# Altium PCB Bran_Main_Assay_PCB_v2.PcbDoc (part 3 of 15)
Units mil, origin at the board's own origin, x right, y up, seen from the top; angles counter-clockwise.
Board outline 3608.46 x 1899.79 mil, 6 copper layers (TOP, GND1, Singal, POWER, GND2, BOTTOM), stack 31.508 mil thick; 363 components, 288 nets, 1386 pads, 975 vias.
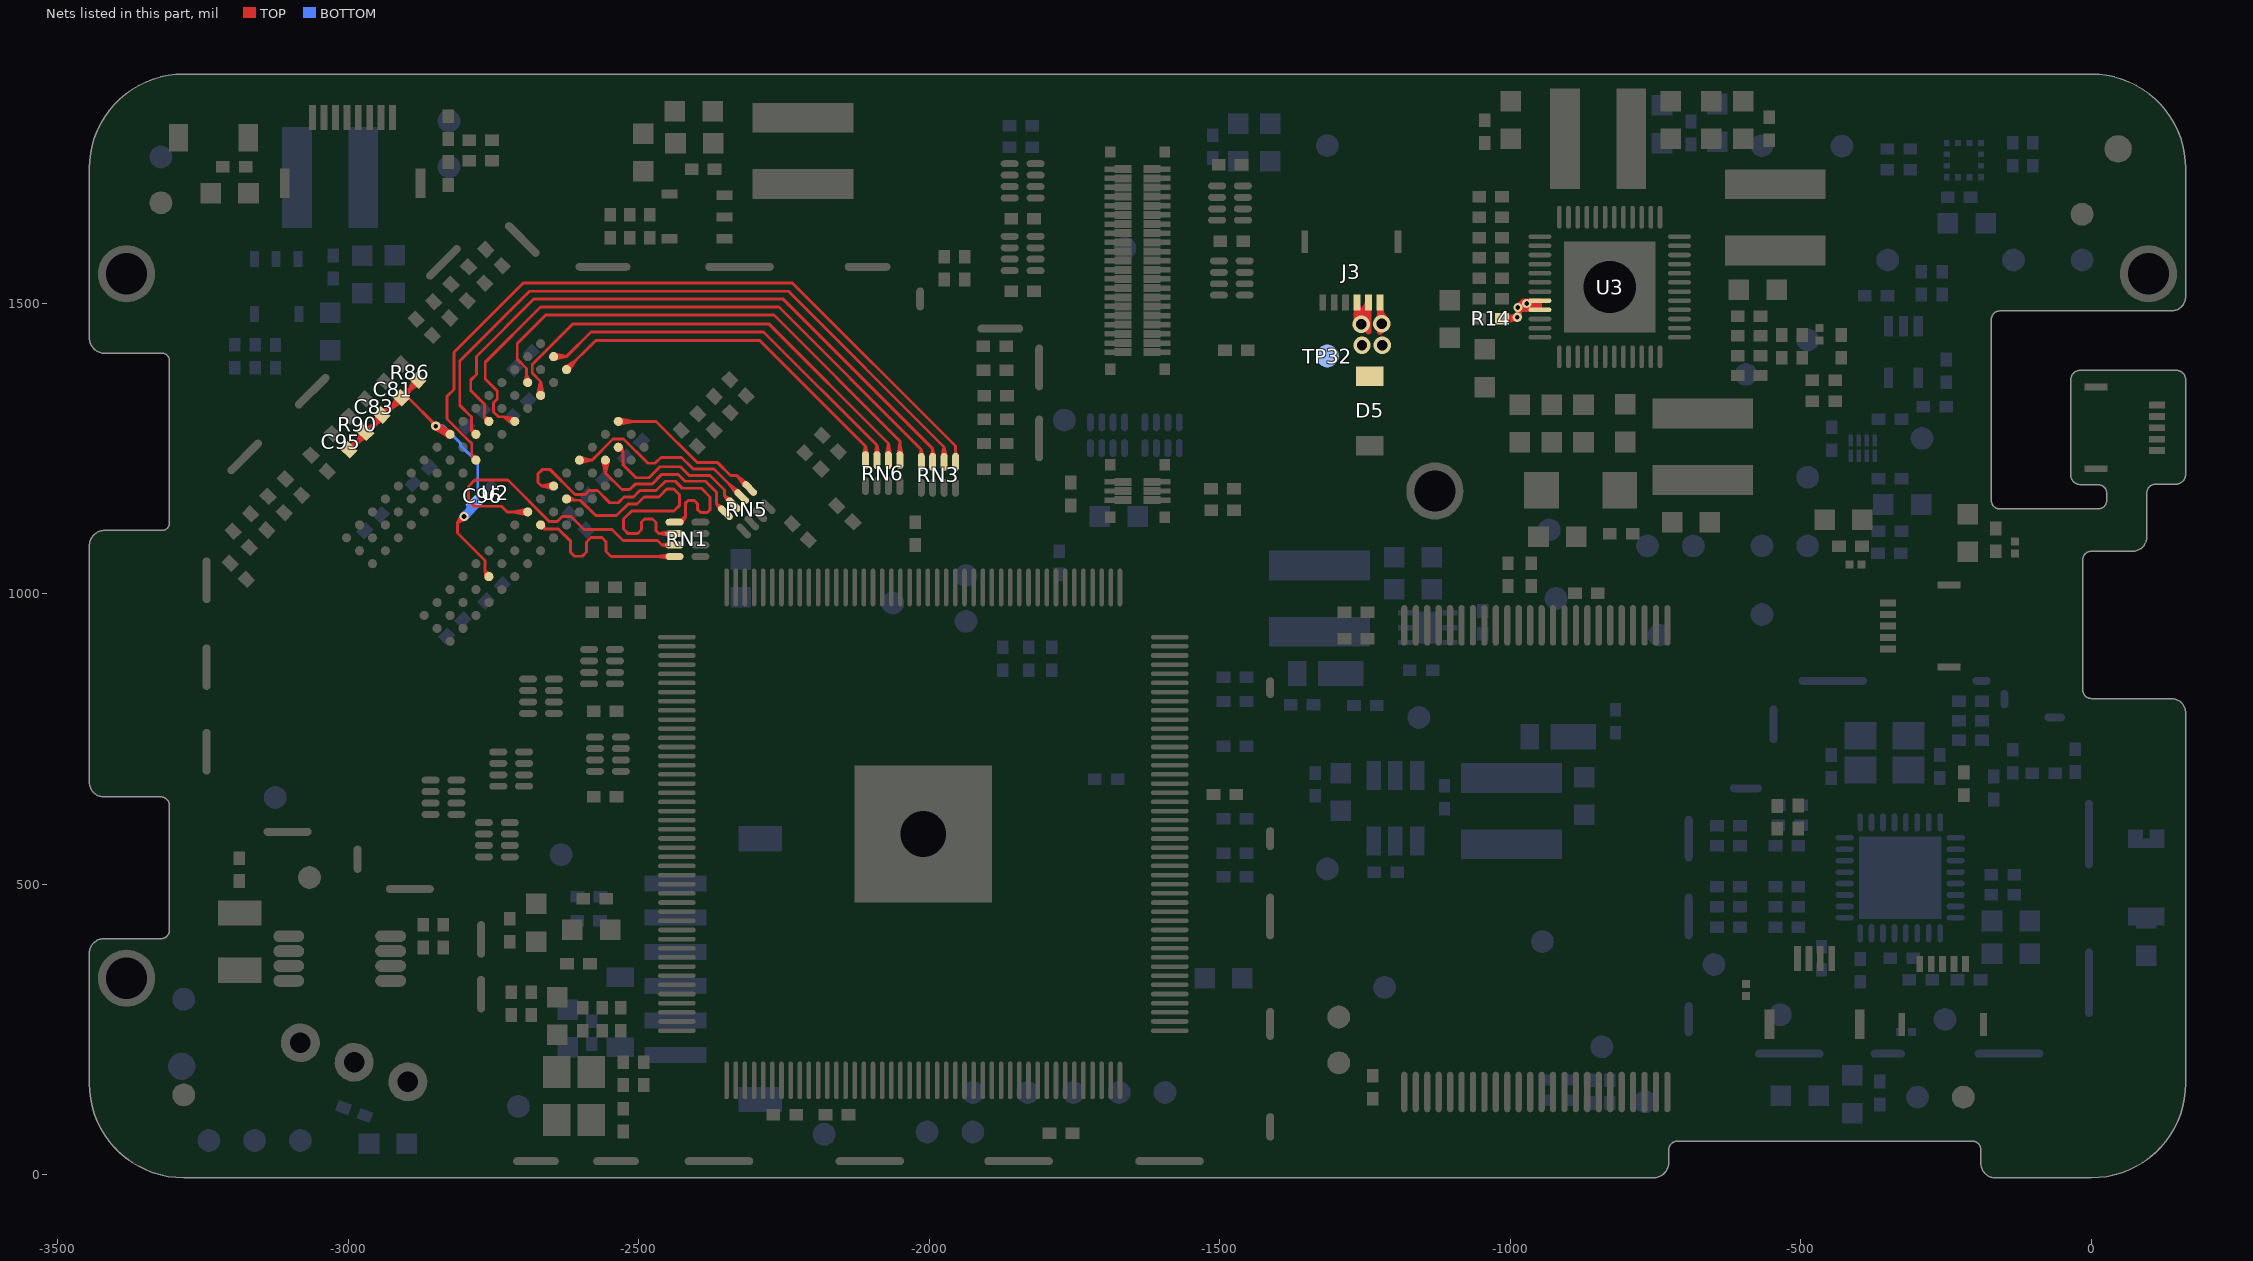
[diagram p7: the nets of this part, all layers, seen from the top]

## Via types
v1: diameter 16, hole 8, TOP to BOTTOM, tented both sides, 431 vias
v2: diameter 18, hole 10, TOP to BOTTOM, tented both sides, 257 vias
v3: diameter 22, hole 12, TOP to BOTTOM, tented both sides, 194 vias
v4: diameter 30, hole 18, TOP to BOTTOM, tented both sides, 69 vias
v5: diameter 24, hole 13, TOP to BOTTOM, tented both sides, 11 vias
v6: diameter 19.68, hole 7.87, TOP to BOTTOM, 9 vias
v7: diameter 22, hole 2, TOP to BOTTOM, tented both sides, 2 vias
v8: diameter 17.99, hole 10, TOP to BOTTOM, tented both sides, 1 vias
v9: diameter 20, hole 10, TOP to BOTTOM, tented both sides, 1 vias

## Nets (pads, with @x,y where several pads share a name; then routed paths per layer and width w, separated by ;. In a path a pad name is that pad's centre, name@x,y a point inside that pad or via, vN(x,y) a via of type N, cw(c..) or ccw(c..) an arc to the next point about the centre after c; other vN are vias at no path point) (continued)
DCIN-5V: D5.1 J3.1 J3.2 J3.3 R14.2 TP32.1 U3.32 U3.33 | length 2252.8
  TOP w8: R14.2@-1010.99,1467.63 -1001.91,1472.83 ; R14.2@-1010.99,1478.99 -1001.91,1473.79 ; R14.2@-1010.48,1467.78 -1001.91,1473.79 ; R14.2@-1010.48,1478.84 -1001.91,1472.83 ; R14.2@-1008.23,1469.18 cw(c-998.26,1459.2) -998.26,1473.31 cw(c-998.26,1487.41) R14.2@-1008.23,1477.44 ; R14.2@-1004.19,1473.31 ccw(c-1004.19,1492.13) v1@-990.88,1478.82 ; -999.32,1473.95 v1(-988.05,1475.99) ; v1@-990.59,1479.08 ccw(c-1002.02,1492.99) v1@-984.02,1492.99 ; v1@-989.24,1489.71 cw(c-996.23,1479.7) v1@-984.02,1479.7 ; v1@-985.65,1485.81 v1(-988.05,1475.99) ; v1@-985.17,1486.66 v1(-988.05,1475.99) ; v1@-983.61,1495.2 ccw(c-971.95,1502.93) -971.95,1488.94 ; v1@-982.94,1492.99 cw(c-967.53,1492.99) v1@-978.43,1503.89 ; v1@-982.42,1496.98 v1(-971.94,1499.99) ; -978.18,1490.4 v1(-986.94,1492.99) ; v1@-975.62,1498.41 ccw(c-961.24,1504.59) U3.33@-961.24,1488.94 ; v1@-968.27,1501.57 ccw(c-949.1,1509.8) U3.33@-949.09,1488.94 ; U3.32@-964.84,1504.69 v1@-977.64,1504.69 ; -961.58,1493.09 v1(-971.94,1499.99) ; U3.33@-959.53,1491.73 U3.32@-949.09,1504.69 ; U3.32@-957.6,1503.81 v1(-971.94,1499.99) ; U3.33@-953.98,1488.94 v1(-986.94,1492.99) ; U3.32@-950.96,1504.69 ccw(c-950.96,1479.01) v1@-969.12,1497.16 ; R14.2@-1012.36,1473.31 v1(-988.05,1475.99) ; R14.2@-1012.36,1473.31 v1(-988.05,1475.99) ; R14.2@-1012.36,1473.31 v1@-994.78,1475.83 ; R14.2@-1012.36,1473.31 v1@-990.73,1473.31 ; R14.2@-1012.36,1473.31 -1001.91,1473.79 ; R14.2@-1012.36,1473.31 -1001.91,1472.83 ; v1@-994.78,1475.83 -1010.59,1467.74 v1(-988.05,1475.99) ; v1@-994.78,1475.83 -1012.23,1479.15 v1(-988.05,1475.99) ; v1@-990.73,1473.31 -1011.57,1467.52 v1(-988.05,1475.99) ; v1@-990.73,1473.31 -1011.57,1479.1 v1(-988.05,1475.99) ; v1@-990.73,1473.31 R14.2@-1014.33,1473.31 v1(-988.05,1475.99) ; v1@-990.73,1473.31 v1(-988.05,1475.99) ; v1(-988.05,1475.99) v1(-986.94,1492.99) ; v1(-988.05,1475.99) -986.43,1483.99 v1(-986.94,1492.99) ; v1(-988.05,1475.99) v1(-986.94,1492.99) ; v1(-988.05,1475.99) -985.17,1484.87 v1(-986.94,1492.99) ; v1(-988.05,1475.99) v1(-986.94,1492.99) ; v1(-988.05,1475.99) v1@-984.02,1498.31 ; v1(-988.05,1475.99) v1@-984.02,1480.03 ; v1(-986.94,1492.99) v1(-971.94,1499.99) ; v1(-986.94,1492.99) v1(-971.94,1499.99) ; v1(-986.94,1492.99) v1(-971.94,1499.99) ; v1(-986.94,1492.99) v1@-984.02,1480.03 ; v1(-986.94,1492.99) v1(-971.94,1499.99) ; v1(-986.94,1492.99) v1@-977.64,1504.69 ; v1(-986.94,1492.99) U3.33@-964.84,1488.94 ; v1@-984.02,1480.03 v1@-984.02,1492.99 ; v1@-984.02,1492.99 v1@-984.02,1498.31 ; v1@-984.02,1498.31 v1(-971.94,1499.99) ; v1@-984.02,1498.31 v1@-977.64,1504.69 ; v1@-983.79,1488.94 -971.94,1488.94 ; v1@-983.79,1488.94 v1(-971.94,1499.99) ; v1@-983.79,1488.94 v1(-971.94,1499.99) ; v1@-983.79,1488.94 U3.33@-964.84,1488.94 ; v1@-977.64,1504.69 -971.94,1504.69 U3.32@-949.09,1504.69 ; -971.94,1488.94 U3.33@-949.09,1488.94 ; -971.94,1490.34 cw(c-962.29,1490.34) v1@-969.12,1497.16 ; -971.94,1490.34 ccw(c-981.6,1490.34) -974.77,1497.16 cw(c-981.6,1490.34) -971.94,1490.34 ; -971.94,1490.34 cw(c-962.29,1490.34) v1@-969.12,1497.16 ; v1(-971.94,1499.99) -969.06,1491.03 U3.33@-964.84,1488.94 ; v1(-971.94,1499.99) U3.33@-964.84,1488.94 ; v1(-971.94,1499.99) U3.32@-949.09,1504.69 ; v1(-971.94,1499.99) U3.33@-964.84,1488.94 ; v1(-971.94,1499.99) U3.33@-949.09,1488.94 ; U3.33@-949.09,1488.94 U3.32@-949.09,1504.69 ; U3.33@-949.09,1488.94 U3.32@-949.09,1504.69 ; U3.33@-949.09,1488.94 U3.32@-949.09,1504.69
  TOP w10: v4@-1266.3,1463.91 J3.3@-1261.5,1488.66 ; v4@-1266.17,1465.61 -1258.42,1481.97 ; v4@-1265.36,1468.22 J3.2@-1244.09,1501.97 ; v4@-1264.88,1469.13 J3.2@-1244.09,1494.09 ; v4@-1264.7,1469.42 -1248.78,1484.86 ; -1263.78,1480.24 ccw(c-1242.39,1480.24) v4(-1256.3,1463.99) ; v4@-1261.2,1472.71 ccw(c-1277.67,1501.97) J3.2@-1244.09,1501.97 ; v4@-1249.8,1471.59 cw(c-1223.79,1501.97) J3.3@-1263.78,1501.97 -1263.78,1463.99 -1263.78,1459.96 J3.3@-1263.78,1494.09 ; -1248.59,1485.18 J3.2@-1244.09,1494.09 ; v4@-1247.08,1467.86 -1258.42,1481.97 ; v4@-1247.12,1467.95 J3.3@-1261.5,1488.66 ; v4@-1246.56,1461.71 J3.2@-1244.09,1494.09 ; v4@-1246.47,1462.15 J3.2@-1244.09,1501.97 ; v4@-1246.37,1462.81 -1248.78,1484.86 ; -1244.09,1451.38 -1244.09,1463.99 J3.2@-1244.09,1501.97 ; v4@-1244.09,1458.19 J3.2@-1244.09,1494.09 ; -1244.09,1484.86 cw(c-1268.04,1484.86) v4(-1256.3,1463.99) ; v4@-1228.37,1472.06 ccw(c-1237.93,1481.63) -1224.41,1481.63 ; v4@-1224.41,1451.06 -1224.41,1464.99 J3.1@-1224.41,1501.97 ; v4@-1224.41,1458.19 J3.1@-1224.41,1494.09 ; J3.1@-1224.41,1496.64 ccw(c-1189.65,1496.64) v4@-1214.23,1472.06 ; J3.3@-1263.78,1494.09 v4(-1256.3,1463.99) ; J3.3@-1263.78,1494.09 -1247.11,1467.94 J3.3@-1263.78,1494.09 ; J3.3@-1263.78,1494.09 -1266.27,1463.18 J3.3@-1263.78,1494.09 ; J3.3@-1263.78,1494.09 v4(-1256.3,1463.99) ; J3.3@-1263.78,1494.09 -1258.42,1481.97 ; J3.3@-1261.5,1488.66 v4(-1256.3,1463.99) ; -1258.42,1481.97 v4(-1256.3,1463.99) ; v4(-1256.3,1463.99) J3.2@-1244.09,1494.09 ; v4(-1256.3,1463.99) J3.2@-1244.09,1501.97 ; v4(-1256.3,1463.99) -1248.78,1484.86
  other v4: -1255.3,1427.99 -1220.3,1427.99 -1221.3,1464.99
DQ0: RN3.4 U2.E3 | length 1273.9
  TOP w5: -2726.42,1299.76 ccw(c-2718.37,1307.82) U2.E3@-2713.8,1297.39 ; U2.E3@-2718.12,1294.06 ccw(c-2723.7,1290.33) -2723.7,1297.04 ; U2.E3@-2718.12,1300.03 cw(c-2723.7,1303.75) -2723.7,1297.04 ; U2.E3@-2716.9,1292.76 -2723.1,1300.85 ; U2.E3@-2716.47,1292.47 -2731.6,1304.94 ; U2.E3@-2715.8,1301.97 cw(c-2721.52,1315.02) -2731.6,1304.94 ; U2.E3@-2713.02,1302.38 -2723.1,1300.85 ; U2.E3@-2712.18,1302.21 -2731.6,1304.94 ; RN3.4@-2017.42,1237.14 -2013.96,1248.82 ; RN3.4@-2017.36,1237.46 -2014.25,1242.9 ; RN3.4@-2017.27,1237.77 -2013.67,1242.9 ; RN3.4@-2016.43,1239.12 ccw(c-2022.41,1245.09) -2013.96,1245.09 ccw(c-2005.51,1245.09) RN3.4@-2011.48,1239.12 ; RN3.4@-2013.96,1227.14 -2013.96,1248.82 ; RN3.4@-2010.65,1237.77 -2014.25,1242.9 ; RN3.4@-2010.56,1237.46 -2013.67,1242.9 ; RN3.4@-2010.49,1237.14 -2013.96,1248.82 ; -2731.6,1304.94 U2.E3@-2713.65,1297.04 ; -2731.6,1304.94 -2723.7,1297.04 ; -2731.6,1304.94 -2741.88,1304.94 -2750.3,1313.36 -2750.3,1329.13 -2743.81,1335.62 -2743.81,1349.13 -2764.43,1369.75 -2764.43,1398.92 -2669.43,1493.92 -2259.06,1493.92 -2013.96,1248.82 ; -2723.7,1297.04 U2.E3@-2713.65,1297.04 ; -2723.1,1300.85 U2.E3@-2713.65,1297.04 ; -2014.25,1242.9 RN3.4@-2013.96,1236.64 ; RN3.4@-2013.96,1236.64 -2013.67,1242.9 ; RN3.4@-2013.96,1236.64 -2013.96,1248.82
DQ1: RN1.1 U2.F7 | length 664.2
  TOP w5: U2.F7@-2650.64,1181.89 ccw(c-2659.81,1172.72) -2659.81,1185.69 ccw(c-2659.81,1198.67) U2.F7@-2650.64,1189.49 ; U2.F7@-2647.55,1180.36 -2667.2,1185.69 ; U2.F7@-2647.55,1191.02 -2667.2,1185.69 ; RN1.1@-2438.66,1123.45 -2429.42,1123.45 -2419.43,1133.44 ; RN1.1@-2431.34,1126.19 -2419.43,1133.44 ; RN1.1@-2429.16,1123.45 -2419.43,1133.44 ; RN1.1@-2429.16,1126.95 ccw(c-2429.16,1134.77) -2423.63,1129.24 ; RN1.1@-2426.36,1121.34 -2419.43,1133.44 ; RN1.1@-2425.66,1123.45 cw(c-2416.58,1123.45) -2423,1129.87 ; -2667.2,1185.69 U2.F7@-2646.84,1185.69 -2667.2,1185.69 ; -2667.2,1185.69 -2673.43,1191.92 -2673.43,1206.92 -2666.43,1213.92 -2652.42,1213.92 -2609.81,1171.31 -2592.48,1171.31 -2585.99,1177.8 -2571.1,1177.8 -2550.22,1156.92 -2535.43,1156.92 -2525.43,1166.92 -2509.43,1166.92 -2498.43,1177.92 -2470.43,1177.92 -2454.43,1193.92 -2437.43,1193.92 -2425.43,1181.92 -2392.43,1181.92 -2377.43,1166.92 -2377.43,1144.92 -2382.43,1139.92 -2393.43,1139.92 -2399.43,1145.92 -2399.43,1155.84 -2404.43,1160.84 -2415.51,1160.84 -2419.43,1156.92 -2419.43,1133.44
DQ2: RN3.3 U2.F2 | length 1274.5
  TOP w5: U2.F2@-2763.55,1297.56 ccw(c-2772.9,1298.46) -2766.26,1305.1 ; U2.F2@-2763.2,1295.07 -2763.51,1303.2 ; U2.F2@-2762.86,1294.36 -2764.35,1302.35 ; U2.F2@-2762.79,1294.24 -2766.26,1305.1 ; U2.F2@-2758.71,1302.39 cw(c-2759.61,1311.75) -2766.26,1305.1 ; U2.F2@-2756.23,1302.04 -2764.35,1302.35 ; U2.F2@-2755.52,1301.7 -2763.51,1303.2 ; U2.F2@-2755.4,1301.63 -2766.26,1305.1 ; RN3.3@-1997.74,1237.11 -1994.27,1249.76 ; RN3.3@-1997.67,1237.46 -1994.56,1242.9 ; RN3.3@-1997.58,1237.77 -1993.98,1242.9 ; RN3.3@-1996.74,1239.12 ccw(c-2002.72,1245.09) -1994.27,1245.09 ccw(c-1985.82,1245.09) RN3.3@-1991.79,1239.12 ; RN3.3@-1994.27,1227.14 -1994.27,1249.76 ; RN3.3@-1990.96,1237.77 -1994.56,1242.9 ; RN3.3@-1990.87,1237.46 -1993.98,1242.9 ; RN3.3@-1990.8,1237.11 -1994.27,1249.76 ; -2766.26,1305.1 U2.F2@-2758.2,1297.04 ; -2766.26,1305.1 U2.F2@-2758.2,1297.04 ; -2766.26,1305.1 -2766.08,1313.35 -2766.08,1326.85 -2789.43,1350.2 -2789.43,1367.92 -2779.43,1377.92 -2779.43,1408.91 -2680.42,1507.92 -2252.43,1507.92 -1994.27,1249.76 ; -2764.35,1302.35 U2.F2@-2758.2,1297.04 ; -2763.51,1303.2 U2.F2@-2758.2,1297.04 ; -1994.56,1242.9 RN3.3@-1994.27,1236.64 ; RN3.3@-1994.27,1236.64 -1993.98,1242.9 ; RN3.3@-1994.27,1236.64 -1994.27,1249.76
DQ3: RN1.2 U2.F8 | length 660
  TOP w5: U2.F8@-2624.03,1158.06 -2611.74,1162 ; U2.F8@-2622.88,1168.51 -2611.74,1162 ; U2.F8@-2620.77,1159.61 cw(c-2616.66,1155.51) -2616.66,1161.31 ; U2.F8@-2620.77,1167.21 ccw(c-2606.52,1181.46) -2606.52,1161.31 ; RN1.2@-2450.63,1101.29 ccw(c-2456.61,1095.31) -2456.61,1103.76 ccw(c-2456.61,1112.21) RN1.2@-2450.63,1106.24 ; RN1.2@-2449.29,1100.45 -2454.42,1104.05 ; RN1.2@-2449.29,1107.07 -2454.42,1103.47 ; RN1.2@-2448.98,1100.36 -2454.42,1103.47 ; RN1.2@-2448.98,1107.16 -2454.42,1104.05 ; RN1.2@-2448.51,1100.28 -2465.43,1103.76 ; RN1.2@-2448.51,1107.24 -2465.43,1103.76 ; RN1.2@-2438.66,1103.76 -2465.43,1103.76 ; -2611.74,1162 U2.F8@-2624.57,1163.41 -2622.47,1161.31 -2600.82,1161.31 -2574.43,1134.92 -2538.43,1134.92 -2518.43,1154.92 -2503.43,1154.92 -2491.43,1166.92 -2465.43,1166.92 -2451.97,1180.38 -2439.89,1180.38 -2430.43,1170.92 -2430.43,1151.92 -2439.43,1142.92 -2512.43,1142.92 -2526.43,1128.92 -2526.43,1111.92 -2518.27,1103.76 -2502.59,1103.76 -2495.43,1110.92 -2495.43,1123.94 -2490.42,1128.95 -2476.46,1128.95 -2470.43,1122.92 -2470.43,1108.76 -2465.43,1103.76 ; -2465.43,1103.76 RN1.2@-2448.16,1103.76 ; -2454.42,1103.47 RN1.2@-2448.16,1103.76 ; -2454.42,1104.05 RN1.2@-2448.16,1103.76
DQ4: RN3.1 U2.H3 | length 1368.6
  TOP w5: -2786.08,1237.94 ccw(c-2780.46,1243.56) U2.H3@-2780.46,1235.61 ; U2.H3@-2785.64,1231.66 ccw(c-2793.48,1233.83) -2787.73,1239.58 ; U2.H3@-2785.34,1227.98 -2787.73,1239.58 ; U2.H3@-2777.07,1234.41 -2787.73,1239.58 ; RN3.1@-1958.3,1237.46 -1955.19,1242.9 ; RN3.1@-1958.21,1237.77 -1954.61,1242.9 ; RN3.1@-1957.37,1239.12 ccw(c-1963.35,1245.09) -1954.9,1245.09 ccw(c-1946.45,1245.09) RN3.1@-1952.42,1239.12 ; RN3.1@-1954.9,1227.14 -1954.9,1254.39 -2235.43,1534.92 -2699.42,1534.92 -2818.43,1415.91 -2818.43,1351.92 -2830.11,1340.24 -2830.11,1301.1 -2796.53,1267.52 -2787.73,1258.71 -2787.73,1239.58 ; RN3.1@-1951.59,1237.77 -1955.19,1242.9 ; RN3.1@-1951.5,1237.46 -1954.61,1242.9 ; -2787.73,1239.58 U2.H3@-2780.46,1230.23 -2780.46,1232.31 -2787.73,1239.58 ; -1955.19,1242.9 -1954.9,1236.64 -1954.61,1242.9
DQ5: RN1.4 U2.H8 | length 486.4
  TOP w5: U2.H8@-2667.96,1113.62 cw(c-2666.61,1107.47) -2662.16,1111.92 ; U2.H8@-2663.86,1117.72 ccw(c-2657.7,1116.38) -2662.16,1111.92 ; RN1.4@-2450.63,1061.92 ccw(c-2456.61,1055.94) -2456.61,1064.39 ccw(c-2456.61,1072.84) RN1.4@-2450.63,1066.87 ; RN1.4@-2449.29,1061.08 -2454.42,1064.68 ; RN1.4@-2449.29,1067.7 -2454.42,1064.1 ; RN1.4@-2448.98,1060.99 -2454.42,1064.1 ; RN1.4@-2448.98,1067.79 -2454.42,1064.68 ; RN1.4@-2448.45,1060.9 -2469.16,1064.39 ; RN1.4@-2448.45,1067.88 -2469.16,1064.39 ; RN1.4@-2438.66,1064.39 -2547.91,1064.39 -2556.43,1072.91 -2556.43,1089.92 -2563.43,1096.92 -2582.43,1096.92 -2589.97,1089.38 -2589.97,1072.39 -2597.44,1064.92 -2610.96,1064.92 -2617.43,1071.39 -2617.43,1090.7 -2638.65,1111.92 -2662.16,1111.92 ; -2662.16,1111.92 -2671.72,1114.18 -2662.16,1111.92 ; -2662.16,1111.92 -2664.41,1121.49 -2662.16,1111.92 ; -2662.16,1111.92 U2.H8@-2669.11,1118.87 -2662.16,1111.92 ; -2469.16,1064.39 RN1.4@-2448.16,1064.39 ; -2454.42,1064.1 RN1.4@-2448.16,1064.39 ; -2454.42,1064.68 RN1.4@-2448.16,1064.39
DQ6: RN3.2 U2.G2 | length 1355.4
  TOP w5: U2.G2@-2785.81,1275.37 ccw(c-2794.65,1276.37) -2788.36,1282.66 ; U2.G2@-2785.5,1272.87 -2785.62,1280.8 ; U2.G2@-2785.14,1272.11 -2786.49,1279.93 ; U2.G2@-2785.07,1272 -2788.36,1282.66 ; U2.G2@-2781.07,1280.11 cw(c-2782.07,1288.95) -2788.36,1282.66 ; U2.G2@-2778.56,1279.8 -2786.49,1279.93 ; U2.G2@-2777.81,1279.44 -2785.62,1280.8 ; U2.G2@-2777.69,1279.38 -2788.36,1282.66 ; RN3.2@-1978.07,1237.01 -1974.59,1253.08 ; RN3.2@-1977.99,1237.46 -1974.88,1242.9 ; RN3.2@-1977.9,1237.77 -1974.3,1242.9 ; RN3.2@-1977.06,1239.12 ccw(c-1983.04,1245.09) -1974.59,1245.09 ccw(c-1966.14,1245.09) RN3.2@-1972.11,1239.12 ; RN3.2@-1974.59,1227.14 -1974.59,1253.08 ; RN3.2@-1971.28,1237.77 -1974.88,1242.9 ; RN3.2@-1971.19,1237.46 -1974.3,1242.9 ; RN3.2@-1971.11,1237.01 -1974.59,1253.08 ; -2788.36,1282.66 U2.G2@-2780.47,1274.77 ; -2788.36,1282.66 -2788.36,1304.58 -2808.43,1324.65 -2808.43,1400.92 -2688.43,1520.92 -2242.43,1520.92 -1974.59,1253.08 ; -2788.36,1282.66 U2.G2@-2780.47,1274.77 ; -2786.49,1279.93 U2.G2@-2780.47,1274.77 ; -2785.62,1280.8 U2.G2@-2780.47,1274.77 ; -1974.88,1242.9 RN3.2@-1974.59,1236.64 ; RN3.2@-1974.59,1236.64 -1974.59,1253.08 ; RN3.2@-1974.59,1236.64 -1974.3,1242.9
DQ7: RN1.3 U2.H7 | length 733
  TOP w5: U2.H7@-2695.18,1137.35 ccw(c-2704.35,1128.18) -2704.35,1141.15 ccw(c-2704.35,1154.13) U2.H7@-2695.18,1144.95 ; U2.H7@-2691.93,1135.81 -2717.52,1141.15 ; U2.H7@-2691.93,1146.5 -2717.52,1141.15 ; RN1.3@-2450.63,1081.61 ccw(c-2456.61,1075.63) -2456.61,1084.08 ccw(c-2456.61,1092.53) RN1.3@-2450.63,1086.56 ; RN1.3@-2449.29,1080.77 -2454.42,1084.37 ; RN1.3@-2449.29,1087.39 -2454.42,1083.79 ; RN1.3@-2448.98,1080.68 -2454.42,1083.79 ; RN1.3@-2448.98,1087.48 -2454.42,1084.37 ; RN1.3@-2448.66,1080.62 -2460.33,1084.08 ; RN1.3@-2448.66,1087.55 -2460.33,1084.08 ; RN1.3@-2438.66,1084.08 -2460.33,1084.08 ; -2717.52,1141.15 U2.H7@-2691.38,1141.15 -2726.66,1141.15 -2736.43,1150.92 -2783.43,1150.92 -2793.43,1160.92 -2793.43,1184.92 -2782.43,1195.92 -2725.43,1195.92 -2654.43,1124.92 -2640.42,1124.92 -2632.09,1133.25 -2616.75,1133.25 -2594.42,1110.92 -2546.43,1110.92 -2527.43,1091.92 -2468.17,1091.92 -2460.33,1084.08 ; -2460.33,1084.08 RN1.3@-2448.16,1084.08 ; -2454.42,1083.79 RN1.3@-2448.16,1084.08 ; -2454.42,1084.37 RN1.3@-2448.16,1084.08
DQ8: RN5.2 U2.D7 | length 520.6
  TOP w5: U2.D7@-2602.3,1230.23 -2580.97,1230.23 ; U2.D7@-2601.62,1224.9 -2580.97,1230.23 ; U2.D7@-2601.62,1235.56 -2580.97,1230.23 ; U2.D7@-2598.5,1226.43 cw(c-2589.32,1217.26) -2589.32,1230.23 cw(c-2589.32,1243.21) U2.D7@-2598.5,1234.03 ; RN5.2@-2333.41,1174.32 ccw(c-2341.85,1174.32) -2335.88,1180.29 ccw(c-2329.91,1186.27) RN5.2@-2329.91,1177.82 ; RN5.2@-2333.05,1172.77 -2334.13,1178.95 ; RN5.2@-2332.89,1172.49 -2334.54,1178.54 ; RN5.2@-2332.58,1172.06 -2344.76,1189.16 ; RN5.2@-2328.36,1177.46 -2334.54,1178.54 ; RN5.2@-2328.08,1177.3 -2334.13,1178.95 ; RN5.2@-2327.65,1176.99 -2344.76,1189.16 ; RN5.2@-2323.19,1167.6 -2370.52,1214.92 -2406.43,1214.92 -2426.43,1234.92 -2462.13,1234.92 -2472.14,1224.91 -2484.58,1224.91 -2526.36,1266.69 -2529.53,1266.87 -2544.33,1266.87 -2580.97,1230.23 ; -2344.76,1189.16 RN5.2@-2329.91,1174.32 ; -2334.54,1178.54 RN5.2@-2329.91,1174.32 ; -2334.13,1178.95 RN5.2@-2329.91,1174.32
DQ9: RN6.2 U2.C3 | length 993.4
  TOP w5: U2.C3@-2674.45,1342.18 -2669.11,1365.77 ; U2.C3@-2672.91,1345.38 ccw(c-2682.08,1354.56) -2669.11,1354.56 ccw(c-2656.13,1354.56) U2.C3@-2665.31,1345.38 ; U2.C3@-2669.11,1341.58 -2669.11,1365.77 ; U2.C3@-2663.77,1342.18 -2669.11,1365.77 ; RN6.2@-2074.08,1239.97 -2070.59,1259.08 ; RN6.2@-2074,1240.48 -2070.88,1245.92 ; RN6.2@-2073.91,1240.79 -2070.31,1245.91 ; RN6.2@-2073.07,1242.13 ccw(c-2079.05,1248.11) -2070.59,1248.11 ccw(c-2062.15,1248.09) RN6.2@-2068.12,1242.13 ; RN6.2@-2070.6,1230.15 -2070.59,1259.08 ; RN6.2@-2067.28,1240.78 -2070.88,1245.92 ; RN6.2@-2067.2,1240.47 -2070.31,1245.91 ; RN6.2@-2067.11,1239.97 -2070.59,1259.08 ; -2669.11,1365.77 -2683.5,1380.16 -2683.5,1395.05 -2613.63,1464.92 -2276.43,1464.92 -2070.59,1259.08 ; -2070.88,1245.92 RN6.2@-2070.6,1239.65 ; RN6.2@-2070.6,1239.65 -2070.59,1259.08 ; RN6.2@-2070.6,1239.65 -2070.31,1245.91
DQ10: RN5.4 U2.C8 | length 464.1
  TOP w5: U2.C8@-2563.08,1229.57 -2557.75,1208.29 ; U2.C8@-2561.55,1226.43 cw(c-2570.72,1217.26) -2557.75,1217.26 cw(c-2544.77,1217.26) U2.C8@-2553.95,1226.43 ; U2.C8@-2552.41,1229.57 -2557.75,1208.29 ; RN5.4@-2361.25,1146.48 ccw(c-2369.7,1146.48) -2363.72,1152.45 ccw(c-2357.74,1158.43) RN5.4@-2357.75,1149.98 ; RN5.4@-2360.89,1144.93 -2361.97,1151.11 ; RN5.4@-2360.73,1144.65 -2362.38,1150.7 ; RN5.4@-2360.55,1144.38 -2366.36,1155.09 ; RN5.4@-2356.2,1149.62 -2362.38,1150.7 ; RN5.4@-2355.92,1149.46 -2361.97,1151.11 ; RN5.4@-2355.65,1149.28 -2366.36,1155.09 ; RN5.4@-2351.03,1139.76 -2366.36,1155.09 ; -2557.75,1208.29 U2.C8@-2557.75,1230.23 -2557.75,1208.29 ; -2557.75,1208.29 -2528.97,1179.51 -2515.82,1179.51 -2506.41,1188.92 -2477.58,1188.92 -2460.58,1205.92 -2432.43,1205.92 -2420.43,1193.92 -2385.43,1193.92 -2366.36,1174.85 -2366.36,1155.09 ; -2366.36,1155.09 RN5.4@-2357.75,1146.48 ; -2362.38,1150.7 RN5.4@-2357.75,1146.48 ; -2361.97,1151.11 RN5.4@-2357.75,1146.48
DQ11: RN6.1 U2.C2 | length 1040.4
  TOP w5: U2.C2@-2696.75,1364.11 -2693.5,1376.01 ; U2.C2@-2694.35,1368.34 ccw(c-2698.05,1373.89) -2691.38,1373.89 ; U2.C2@-2688.4,1368.34 cw(c-2684.71,1373.89) -2691.38,1373.89 ; U2.C2@-2686.41,1365.92 -2693.5,1376.01 ; RN6.1@-2054.4,1239.94 -2050.9,1260.65 ; RN6.1@-2054.31,1240.48 -2051.19,1245.92 ; RN6.1@-2054.22,1240.79 -2050.62,1245.91 ; RN6.1@-2053.38,1242.13 ccw(c-2059.36,1248.11) -2050.9,1248.11 ccw(c-2042.46,1248.09) RN6.1@-2048.43,1242.13 ; RN6.1@-2050.91,1230.15 -2050.9,1263.39 -2267.43,1479.92 -2660.43,1479.92 -2697.76,1442.59 -2709.43,1431.08 -2709.43,1403.84 -2693.5,1387.91 -2693.5,1376.01 ; RN6.1@-2047.59,1240.78 -2051.19,1245.92 ; RN6.1@-2047.51,1240.47 -2050.62,1245.91 ; RN6.1@-2047.42,1239.94 -2050.9,1260.65 ; -2693.5,1376.01 U2.C2@-2691.38,1363.86 -2691.38,1373.89 ; -2693.5,1376.01 -2691.38,1373.89 ; -2051.19,1245.92 RN6.1@-2050.91,1239.65 ; RN6.1@-2050.91,1239.65 -2050.9,1260.65 ; RN6.1@-2050.91,1239.65 -2050.62,1245.91
DQ12: RN5.1 U2.A7 | length 460.6
  TOP w5: U2.A7@-2535.49,1297.04 -2470.4,1297.04 -2399.28,1225.92 -2364.43,1225.92 -2342.43,1203.92 -2331.67,1203.92 RN5.1@-2309.27,1181.52 ; U2.A7@-2534.94,1291.7 -2509.35,1297.04 U2.A7@-2534.94,1302.39 ; U2.A7@-2531.69,1293.24 cw(c-2522.51,1284.07) -2522.51,1297.04 cw(c-2522.51,1310.02) U2.A7@-2531.69,1300.84 ; RN5.1@-2319.48,1188.24 ccw(c-2327.93,1188.24) -2321.96,1194.21 ccw(c-2315.98,1200.19) RN5.1@-2315.98,1191.74 ; RN5.1@-2319.13,1186.7 -2320.21,1192.87 ; RN5.1@-2318.97,1186.41 -2320.62,1192.46 ; RN5.1@-2318.66,1185.98 -2330.83,1203.09 ; RN5.1@-2314.44,1191.38 -2320.62,1192.46 ; RN5.1@-2314.16,1191.23 -2320.21,1192.87 ; RN5.1@-2313.72,1190.91 -2330.83,1203.09 ; -2330.83,1203.09 RN5.1@-2315.98,1188.24 ; -2320.62,1192.46 RN5.1@-2315.98,1188.24 ; -2320.21,1192.87 RN5.1@-2315.98,1188.24
DQ13: RN6.3 U2.A2 | length 844
  TOP w5: U2.A2@-2646.84,1408.4 -2624.95,1408.4 ; U2.A2@-2646.18,1403.07 -2624.95,1408.4 ; U2.A2@-2646.18,1413.74 -2624.95,1408.4 ; U2.A2@-2643.04,1404.6 cw(c-2633.86,1395.43) -2633.86,1408.4 cw(c-2633.86,1421.38) U2.A2@-2643.04,1412.2 ; RN6.3@-2093.76,1240.03 -2090.27,1255.76 ; RN6.3@-2093.68,1240.48 -2090.56,1245.92 ; RN6.3@-2093.59,1240.79 -2089.98,1245.91 ; RN6.3@-2092.75,1242.13 ccw(c-2098.73,1248.11) -2090.27,1248.11 ccw(c-2081.83,1248.09) RN6.3@-2087.8,1242.13 ; RN6.3@-2090.28,1230.15 -2090.27,1255.76 ; RN6.3@-2086.96,1240.78 -2090.56,1245.92 ; RN6.3@-2086.88,1240.47 -2089.98,1245.91 ; RN6.3@-2086.8,1240.03 -2090.27,1255.76 ; -2624.95,1408.4 -2582.43,1450.92 -2285.43,1450.92 -2090.27,1255.76 ; -2090.56,1245.92 RN6.3@-2090.28,1239.65 ; RN6.3@-2090.28,1239.65 -2090.27,1255.76 ; RN6.3@-2090.28,1239.65 -2089.98,1245.91
DQ14: RN5.3 U2.B8 | length 449.1
  TOP w5: U2.B8@-2538.26,1247.89 -2527.6,1244.6 ; U2.B8@-2538.15,1247.82 -2530.33,1246.47 ; U2.B8@-2537.39,1247.46 -2529.46,1247.34 ; U2.B8@-2534.89,1247.15 cw(c-2533.89,1238.31) -2527.6,1244.6 ; U2.B8@-2530.88,1255.27 -2527.6,1244.6 ; U2.B8@-2530.82,1255.15 -2529.46,1247.34 ; U2.B8@-2530.46,1254.4 -2530.33,1246.47 ; U2.B8@-2530.15,1251.89 ccw(c-2521.31,1250.89) -2527.6,1244.6 ; RN5.3@-2347.32,1160.4 ccw(c-2355.78,1160.4) -2349.8,1166.38 ccw(c-2343.82,1172.34) RN5.3@-2343.82,1163.9 ; RN5.3@-2346.97,1158.86 -2348.04,1165.03 ; RN5.3@-2346.81,1158.58 -2348.45,1164.63 ; RN5.3@-2346.63,1158.31 -2352.43,1169.01 ; RN5.3@-2342.28,1163.54 -2348.45,1164.63 ; RN5.3@-2342,1163.39 -2348.04,1165.03 ; RN5.3@-2341.73,1163.2 -2352.43,1169.01 ; RN5.3@-2337.11,1153.68 -2352.43,1169.01 ; U2.B8@-2535.49,1252.49 -2529.46,1247.34 ; U2.B8@-2535.49,1252.49 -2530.33,1246.47 ; U2.B8@-2535.49,1252.49 -2527.6,1244.6 ; -2527.6,1224.27 -2527.6,1244.6 ; -2527.6,1224.27 -2527.14,1223.81 -2527.14,1222.21 ; -2527.6,1224.27 -2527.14,1222.21 ; -2527.14,1222.21 -2504.85,1199.92 -2482.43,1199.92 -2463.42,1218.93 -2428.44,1218.93 -2413.43,1203.92 -2377.43,1203.92 -2352.43,1178.92 -2352.43,1169.01 ; -2352.43,1169.01 RN5.3@-2343.82,1160.4 ; -2348.45,1164.63 RN5.3@-2343.82,1160.4 ; -2348.04,1165.03 RN5.3@-2343.82,1160.4
DQ15: RN6.4 U2.A3 | length 852.9
  TOP w5: U2.A3@-2627.9,1390.34 -2608.39,1402.3 U2.A3@-2620.35,1382.79 ; U2.A3@-2627.37,1390.71 -2618.08,1393.24 ; U2.A3@-2626.94,1390.95 -2617.45,1392.61 ; U2.A3@-2624.57,1391.5 ccw(c-2624.57,1404.47) -2615.39,1395.3 ccw(c-2606.22,1386.12) U2.A3@-2619.19,1386.12 ; U2.A3@-2619.98,1383.32 -2617.45,1392.61 ; U2.A3@-2619.74,1383.75 -2618.08,1393.24 ; RN6.4@-2113.44,1240.08 -2109.96,1254.16 ; RN6.4@-2113.37,1240.48 -2110.25,1245.92 ; RN6.4@-2113.28,1240.79 -2109.67,1245.91 ; RN6.4@-2112.44,1242.13 ccw(c-2118.42,1248.11) -2109.96,1248.11 ccw(c-2101.52,1248.09) RN6.4@-2107.49,1242.13 ; RN6.4@-2109.97,1230.15 -2109.96,1254.16 ; RN6.4@-2106.65,1240.78 -2110.25,1245.92 ; RN6.4@-2106.57,1240.47 -2109.67,1245.91 ; RN6.4@-2106.49,1240.07 -2109.96,1254.16 ; U2.A3@-2624.57,1386.12 -2618.08,1393.24 ; U2.A3@-2624.57,1386.12 -2617.45,1392.61 ; U2.A3@-2624.57,1386.12 -2574.77,1435.92 -2291.72,1435.92 -2109.96,1254.16 ; -2110.25,1245.92 RN6.4@-2109.97,1239.65 ; RN6.4@-2109.97,1239.65 -2109.96,1254.16 ; RN6.4@-2109.97,1239.65 -2109.67,1245.91
DRAM-REF: C81.1 C83.2 C95.1 C96.1 R86.1 R90.2 U2.H1 U2.M8 | length 3632.6
  TOP w5: C95.1@-3003.31,1254.28 -2980.16,1264.01 ; C95.1@-3001.85,1252.93 -2988.58,1256.51 ; C95.1@-3001.07,1253.33 -2988.58,1254.8 ; C95.1@-2999.51,1248 -2980.16,1264.01 ; C95.1@-2998.12,1253.95 ccw(c-2998.12,1273.02) -2984.63,1259.54 ; C95.1@-2997.84,1246.33 -2968.84,1275.33 -2968.84,1276.33 C83.2@-2940.84,1304.33 ; C95.1@-2994.05,1243.09 -2980.16,1264.01 ; C95.1@-2991.92,1242.68 -2988.58,1254.8 ; C95.1@-2991.66,1243.11 -2988.58,1256.51 ; C95.1@-2990.77,1246.61 cw(c-2974.39,1246.61) -2985.98,1258.19 ; -2982.75,1261.42 ccw(c-2997.95,1276.61) R90.2@-2976.46,1276.61 ; -2978.99,1265.18 cw(c-2969.12,1255.3) R90.2@-2969.12,1269.27 ; R90.2@-2976.89,1281.64 -2986.11,1258.06 ; R90.2@-2976.07,1278.96 -2976.1,1267.4 ; R90.2@-2975.52,1280.2 -2979.34,1265.87 ; R90.2@-2974.31,1284.28 -2951.16,1294.01 ; R90.2@-2972.85,1282.93 -2959.58,1286.51 ; R90.2@-2972.07,1283.33 -2959.58,1284.8 ; R90.2@-2969.12,1283.95 ccw(c-2969.12,1303.02) -2955.63,1289.54 ; R90.2@-2965.44,1272.69 -2986.11,1258.06 ; R90.2@-2965.22,1270.39 -2979.34,1265.87 ; R90.2@-2965.05,1273.09 -2951.16,1294.01 ; R90.2@-2964.98,1270.55 -2976.1,1267.4 ; R90.2@-2962.92,1272.68 -2959.58,1284.8 ; R90.2@-2962.66,1273.11 -2959.58,1286.51 ; R90.2@-2961.77,1276.61 cw(c-2945.39,1276.61) -2956.98,1288.19 ; -2955.46,1289.71 ccw(c-2972.36,1306.61) C83.2@-2948.46,1306.61 ; -2949.29,1295.88 cw(c-2941.12,1287.72) C83.2@-2941.12,1299.27 ; C83.2@-2948.98,1311.48 -2957.74,1287.43 ; C83.2@-2948.28,1308.23 -2946.89,1297.72 ; C83.2@-2947.59,1310.07 -2951.66,1294.66 ; -2946.92,1298.25 ccw(c-2955.29,1306.61) C83.2@-2943.46,1306.61 ; C83.2@-2945.98,1314.47 -2922.01,1323.16 ; C83.2@-2944.58,1313.09 -2929.17,1317.15 ; C83.2@-2942.74,1313.77 -2932.23,1312.39 ; C83.2@-2941.12,1308.95 ccw(c-2941.12,1320.78) -2932.75,1312.42 ; C83.2@-2941.12,1313.95 ccw(c-2941.12,1337.85) -2924.22,1320.95 ; C83.2@-2940.84,1306.33 C83.2@-2940.84,1304.33 ; C83.2@-2937.34,1302.79 -2922.01,1323.16 ; C83.2@-2937.3,1302.83 -2957.74,1287.43 ; C83.2@-2936.88,1300.61 -2951.66,1294.66 ; C83.2@-2936.73,1300.73 -2946.89,1297.72 ; C83.2@-2935.23,1302.22 -2932.23,1312.39 ; C83.2@-2935.12,1302.37 -2929.17,1317.15 ; C83.2@-2933.77,1306.61 cw(c-2922.22,1306.61) -2930.39,1314.78 ; -2921.41,1323.76 cw(c-2908.12,1310.47) C81.1@-2908.12,1329.27 ; -2920.34,1324.83 ccw(c-2932.12,1336.61) C81.1@-2915.46,1336.61 ; C81.1@-2916.25,1340.91 -2917.69,1328.28 ; C81.1@-2915.68,1341.97 -2925.97,1319.2 ; C81.1@-2914.6,1340.06 -2917.51,1326.75 ; C81.1@-2913.48,1344.18 -2890.72,1354.45 ; C81.1@-2912.41,1344.75 -2899.79,1346.18 ; C81.1@-2911.56,1343.09 -2898.26,1346.01 ; C81.1@-2908.12,1343.95 ccw(c-2908.12,1360.61) -2896.34,1348.83 ; C81.1@-2905.5,1331.85 -2917.69,1328.28 ; C81.1@-2904.76,1332.41 -2925.97,1319.2 ; C81.1@-2904.36,1330.3 -2917.51,1326.75 ; C81.1@-2903.91,1333.25 -2890.72,1354.45 ; C81.1@-2903.36,1333.99 -2899.79,1346.18 ; C81.1@-2901.81,1332.86 -2898.26,1346.01 ; C81.1@-2900.77,1336.61 cw(c-2881.98,1336.61) -2895.27,1349.9 ; -2892.05,1353.12 ccw(c-2905.53,1366.61) R86.1@-2886.46,1366.61 ; R86.1@-2886.79,1371.81 -2896.52,1348.65 ; R86.1@-2885.84,1369.56 -2887.31,1357.07 ; R86.1@-2885.44,1370.35 -2889.01,1357.07 ; R86.1@-2880.51,1368 -2896.52,1348.65 ; R86.1@-2879.12,1359.27 ccw(c-2879.12,1342.89) -2890.7,1354.47 ; R86.1@-2878.84,1366.33 -2908.34,1336.83 C81.1@-2908.84,1336.33 ; R86.1@-2875.62,1360.15 -2889.01,1357.07 ; R86.1@-2875.6,1362.55 -2896.52,1348.65 ; R86.1@-2875.19,1360.41 -2887.31,1357.07 ; -2859.52,1300.02 cw(c-2870.62,1288.92) v1@-2854.93,1288.92 ; -2857.11,1297.6 ccw(c-2849.43,1305.29) v1@-2849.43,1294.42 ; v1@-2852.62,1284.44 -2834.28,1274.77 ; v1@-2851.14,1283.69 -2834.69,1281.2 ; v1@-2850.81,1283.6 -2839.92,1283.61 ; v1@-2850.73,1283.58 U2.H1@-2827.1,1280.67 ; v1@-2850.64,1283.56 U2.H1@-2827.26,1281.09 ; v1@-2849.91,1283.44 -2841.28,1285.44 ; v1@-2849.43,1283.42 cw(c-2849.43,1267.73) -2838.33,1278.83 ; v1@-2848,1283.61 cw(c-2843.96,1268.53) -2836.16,1282.05 ; v1@-2847,1293.86 U2.H1@-2827.26,1281.09 ; v1@-2846.94,1293.83 U2.H1@-2827.1,1280.67 ; v1@-2846.11,1293.3 -2834.69,1281.2 ; v1@-2845.8,1293.06 -2841.28,1285.44 ; v1@-2845.62,1292.89 -2839.92,1283.61 ; v1@-2845.4,1292.67 U2.H1@-2830.07,1272.15 ; v1@-2845.42,1292.69 U2.H1@-2829.88,1272.15 ; v1@-2845.17,1292.41 -2834.28,1274.77 ; v1@-2844.12,1290.35 ccw(c-2833.54,1293.18) -2839.02,1283.7 ; v1@-2843.93,1288.92 ccw(c-2833.06,1288.92) -2840.75,1281.24 ; -2840.85,1281.34 ccw(c-2825.85,1296.34) U2.H1@-2825.01,1275.15 ; -2832.77,1273.26 ccw(c-2825.24,1280.79) U2.H1@-2824.82,1270.15 ; U2.H1@-2829.66,1272.1 ccw(c-2834.28,1269.45) -2834.28,1274.77 ; U2.H1@-2829.66,1277.45 cw(c-2834.28,1280.09) -2834.28,1274.77 ; U2.H1@-2828.25,1270.5 -2841.25,1283.77 ; U2.H1@-2828.15,1270.42 v1@-2846.72,1287.21 ; U2.H1@-2827.57,1270.05 -2835.72,1277.57 ; U2.H1@-2825.21,1280.14 cw(c-2826.47,1311.88) v1@-2848.93,1289.42 ; U2.H1@-2824.94,1280.15 -2835.72,1277.57 ; U2.H1@-2823.1,1279.8 -2841.25,1283.77 ; U2.H1@-2822.84,1279.7 v1@-2846.72,1287.21 ; v1@-2806.55,1133.3 cw(c-2819.83,1133.3) -2810.44,1123.91 cw(c-2801.05,1114.52) v1@-2801.05,1127.8 ; v1@-2805.54,1136.47 -2812.43,1121.92 ; v1@-2797.88,1128.81 -2812.43,1121.92 ; U2.M8@-2763.25,1031.6 ccw(c-2770.76,1034.31) -2765.12,1039.95 ; U2.M8@-2763.2,1027.8 -2765.12,1039.95 ; U2.M8@-2754.52,1033.7 -2765.12,1039.95 ; -2988.58,1254.8 -2998.12,1246.61 -2988.58,1256.51 ; -2986.11,1258.06 R90.2@-2970.51,1278 -2951.16,1294.01 ; -2979.34,1265.87 R90.2@-2969.12,1276.61 ; -2976.1,1267.4 R90.2@-2969.12,1276.61 ; R90.2@-2969.12,1276.61 -2959.58,1286.51 ; R90.2@-2969.12,1276.61 -2959.58,1284.8 ; -2957.74,1287.43 C83.2@-2942.51,1308 -2922.01,1323.16 ; -2951.66,1294.66 C83.2@-2941.12,1306.61 ; -2946.89,1297.72 C83.2@-2941.12,1306.61 ; C83.2@-2941.12,1306.61 -2929.17,1317.15 ; C83.2@-2941.12,1306.61 -2932.23,1312.39 ; C83.2@-2940.84,1304.33 -2939.84,1305.33 C81.1@-2908.84,1336.33 ; -2925.97,1319.2 C81.1@-2909.51,1338 ; -2917.69,1328.28 C81.1@-2909.51,1338 ; -2917.51,1326.75 -2908.12,1336.61 -2898.26,1346.01 ; C81.1@-2909.51,1338 -2890.72,1354.45 ; C81.1@-2909.51,1338 -2899.79,1346.18 ; C81.1@-2908.84,1336.33 -2895.84,1336.33 v1@-2851.43,1291.92 ; -2889.01,1357.07 -2879.12,1366.61 -2887.31,1357.07 ; v1@-2851.43,1291.92 v1@-2848.93,1289.42 ; v1@-2851.43,1291.92 v1(-2849.43,1288.92) ; v1@-2851.43,1291.92 -2851.43,1290.92 v1(-2849.43,1288.92) ; v1@-2850.92,1283.63 -2841.25,1283.77 ; v1@-2850.92,1283.63 -2841.25,1283.77 ; v1@-2850.92,1283.63 -2841.25,1283.77 ; v1(-2849.43,1288.92) U2.H1@-2828.46,1276.75 ; v1(-2849.43,1288.92) U2.H1@-2827.26,1281.09 ; v1(-2849.43,1288.92) U2.H1@-2830.07,1272.15 ; v1(-2849.43,1288.92) -2841.25,1283.77 ; v1(-2849.43,1288.92) U2.H1@-2828.48,1276.7 ; v1(-2849.43,1288.92) -2841.25,1283.77 ; v1(-2849.43,1288.92) U2.H1@-2827.1,1280.67 ; v1(-2849.43,1288.92) -2841.25,1283.77 ; v1(-2849.43,1288.92) U2.H1@-2829.88,1272.15 ; v1(-2849.43,1288.92) -2834.28,1274.77 ; v1(-2849.43,1288.92) -2834.69,1281.2 ; v1(-2849.43,1288.92) -2841.28,1285.44 ; v1(-2849.43,1288.92) -2839.92,1283.61 ; v1(-2849.43,1288.92) v1@-2848.93,1289.42 ; v1@-2848.93,1289.42 -2834.28,1274.77 ; v1@-2846.72,1287.21 U2.H1@-2825,1274.77 ; v1@-2845.29,1292.55 -2841.25,1283.77 ; v1@-2845.29,1292.55 -2841.25,1283.77 ; v1@-2845.29,1292.55 -2841.25,1283.77 ; -2841.25,1283.77 U2.H1@-2825,1274.77 ; -2835.72,1277.57 U2.H1@-2825,1274.77 ; -2834.28,1274.77 U2.H1@-2825,1274.77 ; U2.H1@-2830.07,1272.15 -2852.56,1284.4 U2.H1@-2829.88,1272.15 ; U2.H1@-2828.48,1276.7 -2851.64,1283.89 U2.H1@-2828.46,1276.75 ; U2.H1@-2828.48,1276.7 -2846.14,1293.33 U2.H1@-2828.46,1276.75 ; -2812.43,1121.92 v1(-2801.05,1133.3) -2812.43,1121.92 ; -2812.43,1121.92 -2812.43,1104.92 -2765.12,1057.61 -2765.12,1039.95 ; -2765.12,1039.95 U2.M8@-2758.2,1029.78 -2758.2,1033.03 -2765.12,1039.95
  BOTTOM w5: v1@-2848.09,1283.59 -2840.13,1288.42 ; v1@-2847.52,1294.08 -2840.13,1288.42 ; v1@-2845.43,1285.15 cw(c-2836.68,1276.89) -2836.68,1288.92 ; v1@-2845.43,1292.7 ccw(c-2836.68,1300.95) -2836.68,1288.92 ; C96.1@-2785.02,1149.33 -2785.02,1153.33 C96.1@-2783.35,1155 C96.1@-2777.43,1160.92 ; C96.1@-2777.65,1160.7 C96.1@-2777.43,1160.92 ; -2840.13,1288.42 v1(-2849.43,1288.92) -2836.68,1288.92 ; -2836.68,1288.92 -2807.35,1259.59 -2807.35,1256.06 -2777.43,1226.14 C96.1@-2777.43,1160.92
  BOTTOM w6: v1@-2804.8,1136.6 -2792.47,1146.84 ; v1@-2804.63,1136.79 C96.1@-2784.74,1153.61 ; v1@-2804.55,1136.87 -2795.92,1141.84 ; v1@-2804.17,1137.21 C96.1@-2785.02,1149.33 ; v1@-2803.59,1137.6 C96.1@-2780.01,1148.66 ; v1@-2802.34,1138.13 ccw(c-2806.05,1151.97) -2793.64,1144.81 ; v1@-2801.05,1138.3 ccw(c-2801.05,1150.37) -2792.51,1141.84 ccw(c-2783.98,1133.3) v1@-2796.05,1133.3 ; v1@-2799.24,1135.11 ccw(c-2817.74,1153.61) C96.1@-2791.58,1153.61 ; v1@-2797.73,1129.56 C96.1@-2780.01,1148.66 ; v1@-2797.14,1130.18 C96.1@-2785.02,1149.33 ; v1@-2796.87,1130.56 C96.1@-2784.74,1153.61 ; v1@-2796.46,1131.32 -2792.47,1146.84 ; v1@-2796.25,1131.88 -2795.92,1141.84 ; v1@-2796.22,1134.6 cw(c-2786.74,1137.14) -2795.24,1142.04 ; C96.1@-2790.59,1157.15 v1(-2801.05,1133.3) ; C96.1@-2789.6,1144.75 cw(c-2784.74,1139.88) C96.1@-2784.74,1146.76 ; C96.1@-2783.35,1155 C96.1@-2777.65,1160.7 ; v1(-2801.05,1133.3) -2795.92,1141.84 ; v1(-2801.05,1133.3) -2792.47,1146.84 ; v1(-2801.05,1133.3) C96.1@-2784.74,1153.61 ; v1(-2801.05,1133.3) C96.1@-2780.01,1148.66 ; v1(-2801.05,1133.3) C96.1@-2785.02,1149.33